# Altium PCB ARES_R30_Power.PcbDoc (part 3 of 3)
Units mm, origin at the board's own origin, x right, y up, seen from the top; angles counter-clockwise.
Board outline 93 x 99 mm, 6 copper layers (Top Layer, Mid Layer 1, Mid Layer 2, Mid Layer 3, Mid Layer 4, Bottom Layer), stack 1.58 mm thick; 177 components, 92 nets, 527 pads, 732 vias.
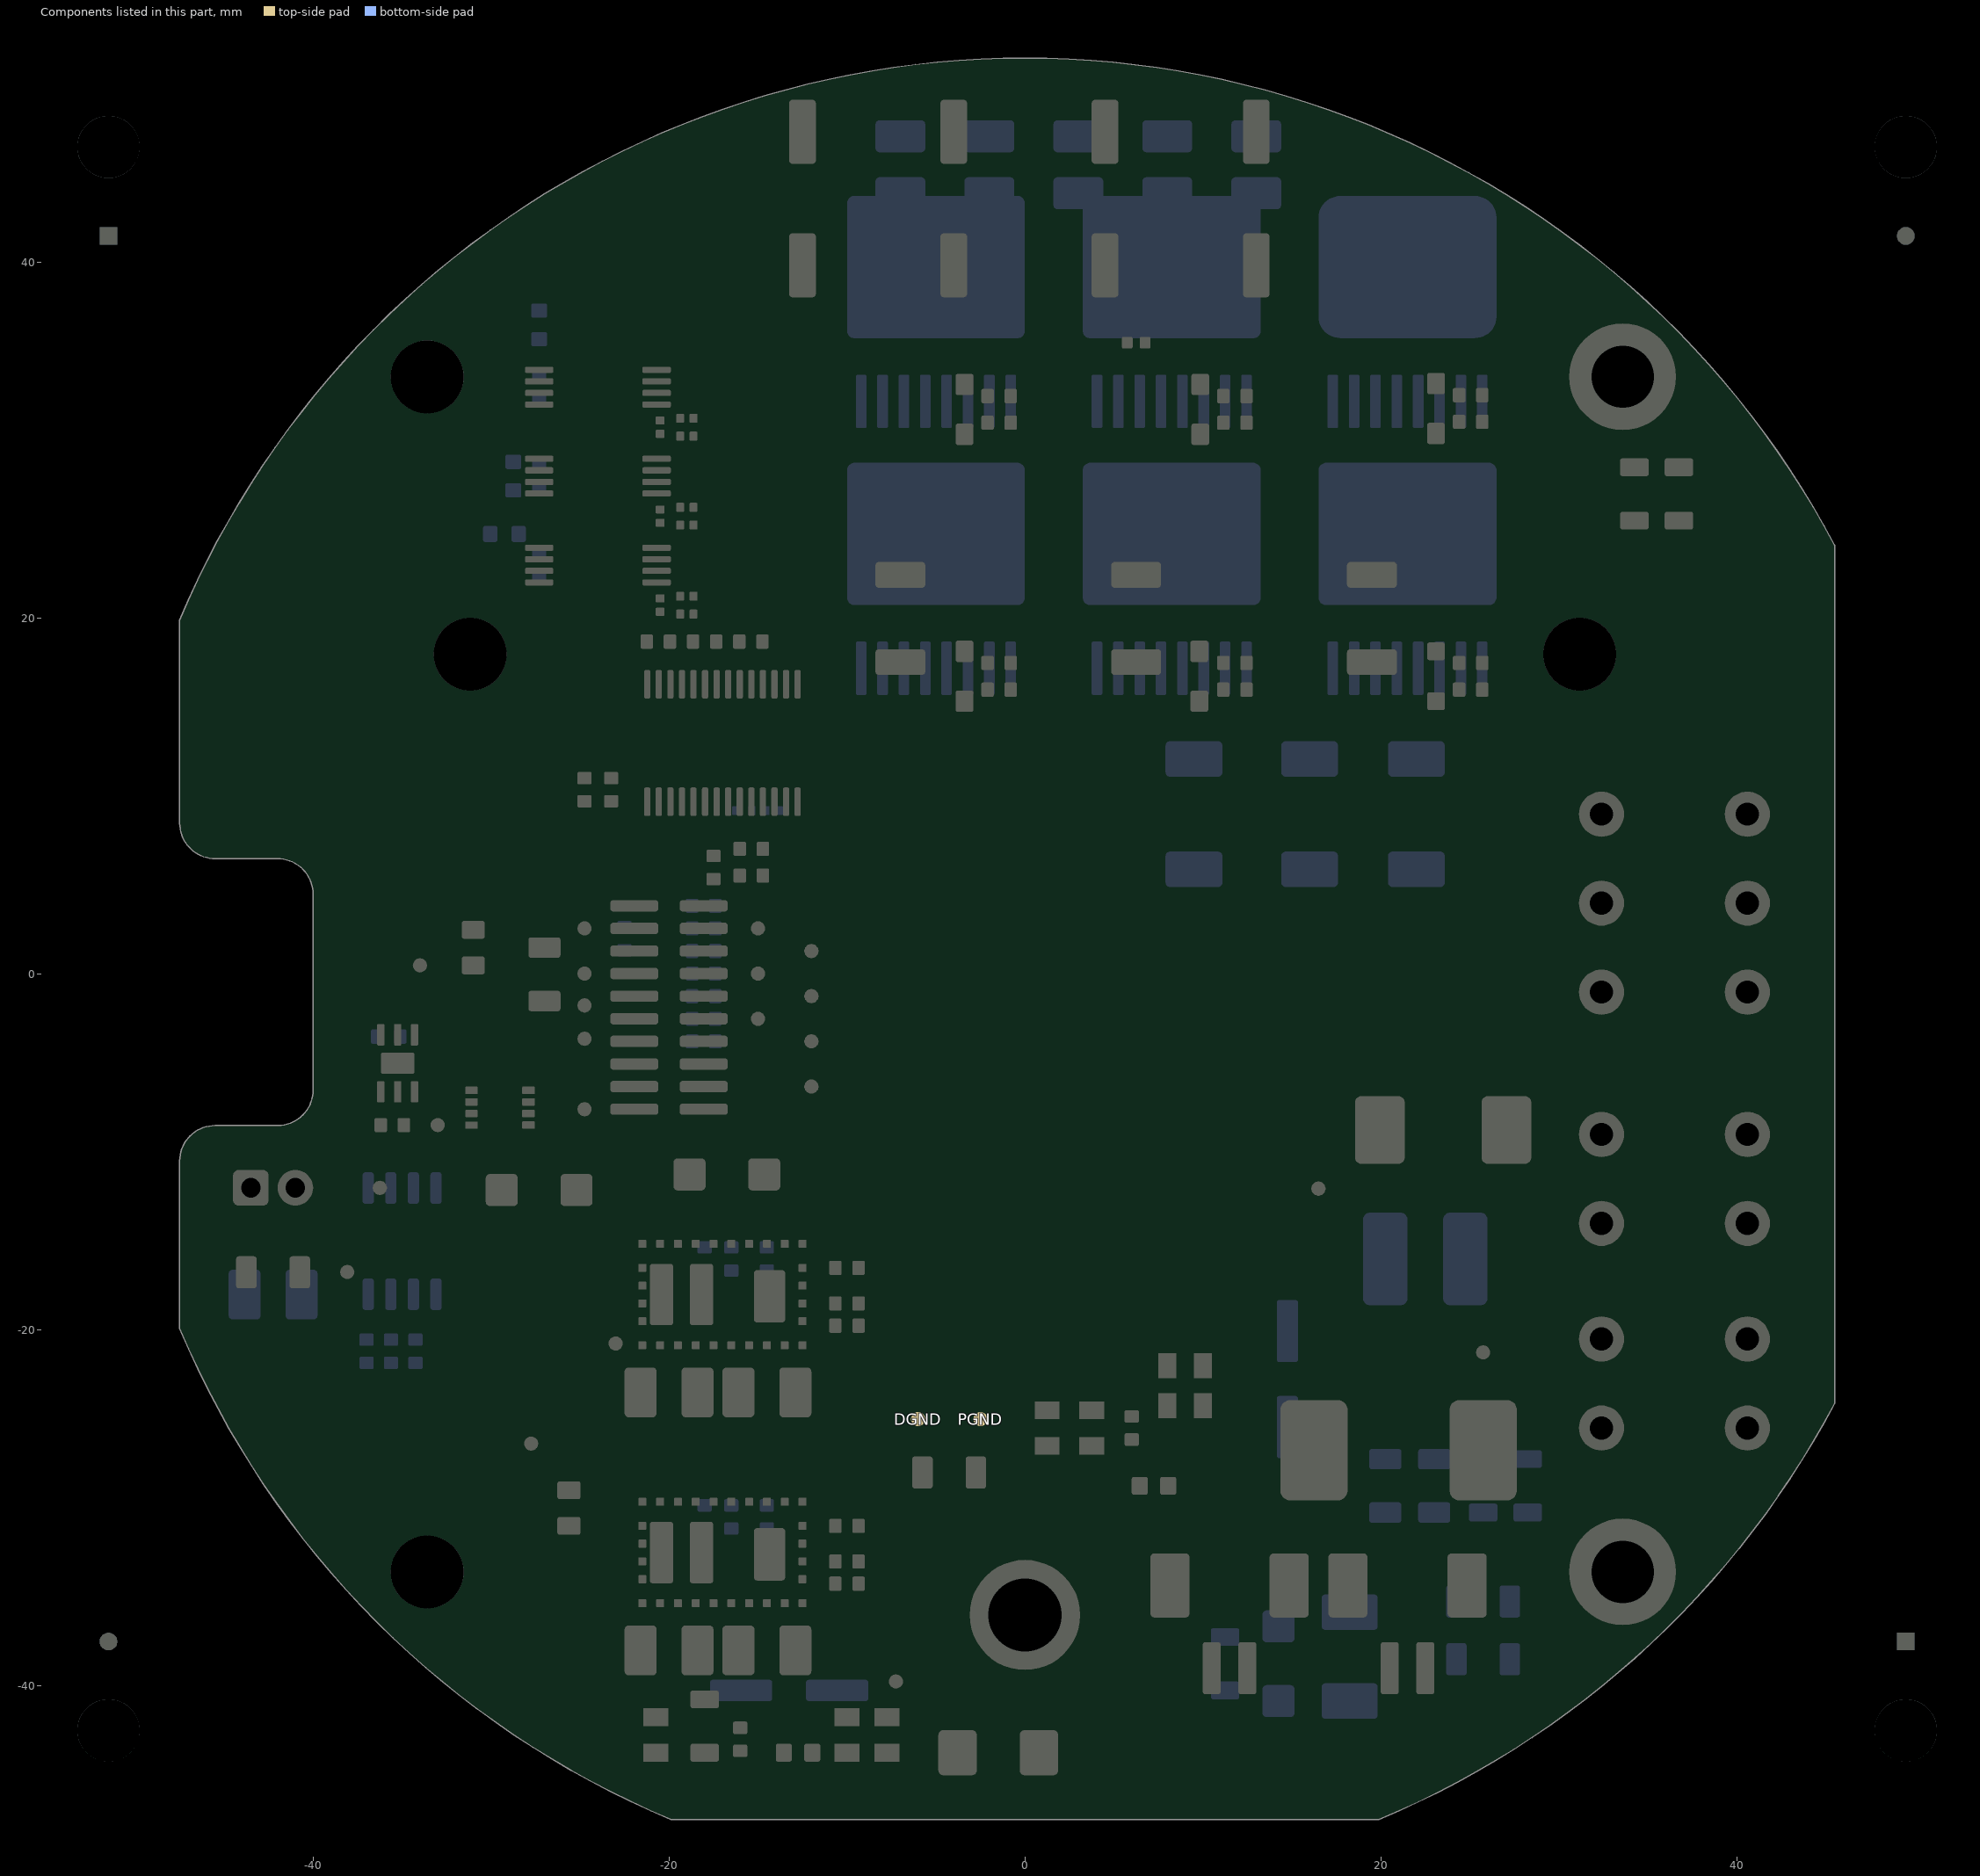
[diagram p7: the components of this part, seen from the top]

## Polygon pours and split planes (outlines as drawn)
V48P on Mid Layer 3 "Mid3 Layer - V48P" (solid, remove dead copper, pour order 201): 22.75,-17.751 26.501,-14 26.5,-5.25 27.5,-4.25 42,-4.25 43,-3.25 43,24 ccw(c39.25,24) 39.25,27.75 32.707,27.75 cw(c32.707,30.664) 30.646,28.604 27.267,31.983 cw(c29.119,33.835) 26.5,33.835 26.5,39.501 ccw(c24.002,39.502) 24,42 -9.5,42 ccw(c-9.501,41.501) -10,41.5 -10,33 ccw(c-9.5,33) -9.5,32.5 -4,32.5 cw(c-4,31.75) -3.25,31.75 -3.25,16.5 ccw(c-0.25,16.5) -0.25,13.5 7.5,13.5 cw(c7.5,9) 12,9 ccw(c13.5,9) 13.5,7.5 cw(c13.5,6.25) 14.75,6.25 14.75,0 14.75,-6.25 cw(c13.5,-6.25) 13.5,-7.5 ccw(c13.5,-9) 12,-9 12,-21.5 12.5,-22 22.25,-22 22.75,-21.5
DGND on Mid Layer 3 "Mid3 Layer - DGND" (solid, remove dead copper, pour order 202): 8,-33.441 8.941,-32.5 18.315,-32.5 cw(c13.978,-37.207) 18.802,-33 cw(c21.687,-139.141) 24.562,-33 cw(c15.904,-42.037) 25,-33.441 cw(c-6.248,-34.816) 25,-36.191 cw(c-5.3,-37.066) 25,-37.941 cw(c13.352,-38.566) 25,-39.191 20.75,-41.941 15.5,-41.941 10.5,-46.941 -20,-46.941 -24.5,-44.691 -26.75,-43.441 -30.25,-40.941 -33.25,-38.691 -36.75,-35.191 -41.5,-29.941 -44.75,-24.441 -47,-19.941 -47,-10.691 cw(c-45.25,-10.691) -45.25,-8.941 -42,-8.941 ccw(c-42,-6.441) -39.5,-6.441 -39.5,4.559 ccw(c-41.999,4.56) -42,7.059 -45.5,7.059 cw(c-45.501,8.558) -47,8.559 -47,20.059 -44.25,25.309 -40.75,30.559 -36.75,35.309 -33.043,38.571 cw(c-31.089,36.352) -31.088,39.309 -22.75,39.309 cw(c-22.749,38.56) -22,38.559 -22,37.809 ccw(c-21.25,37.809) -21.25,37.059 -12,37.059 -11,36.059 -11,11.436 -5,5.436 -5,-35.942 ccw(c-0.001,-35.942) 0,-40.941 5.5,-40.941 8,-38.441
PGND on Mid Layer 3 "Mid1 Layer - PGND" (solid, remove dead copper, pour order 203): -3.75,-7.58 ccw(c-3.75,3.411) 7.241,3.411 ccw(c-0.008,0.67) -0.008,8.42 -8.758,8.42 -10,9.662 -10,37 -11,38 -18.5,38 -19.5,39 -19.508,45.956 cw(c-17.402,45.956) -18.168,47.918 cw(c2.121,-4.018) -3.844,51.42 -0.303,51.42 cw(c-0.302,0.402) 22.515,46.033 25.742,44.42 30.742,40.92 33.242,38.92 38.242,33.92 40.992,30.42 43.992,25.92 44.742,24.42 44.742,-23.58 42.164,-28 17.75,-28 17.25,-28.5 17.25,-30.5 16.75,-31 -2.75,-31 -3.75,-30
V48P on Mid Layer 4 "Mid3 Layer - V48P" (solid, remove dead copper, pour order 204): 22.75,-17.751 26.501,-14 26.5,-5.25 27.5,-4.25 42,-4.25 43,-3.25 43,24 ccw(c39.25,24) 39.25,27.75 32.707,27.75 cw(c32.707,30.664) 30.646,28.604 27.267,31.983 cw(c29.119,33.835) 26.5,33.835 26.5,39.501 ccw(c24.002,39.502) 24,42 -9.5,42 ccw(c-9.501,41.501) -10,41.5 -10,33 ccw(c-9.5,33) -9.5,32.5 -4,32.5 cw(c-4,31.75) -3.25,31.75 -3.25,16.5 ccw(c-0.25,16.5) -0.25,13.5 7.5,13.5 cw(c7.5,9) 12,9 ccw(c13.5,9) 13.5,7.5 cw(c13.5,6.25) 14.75,6.25 14.75,0 14.75,-6.25 cw(c13.5,-6.25) 13.5,-7.5 ccw(c13.5,-9) 12,-9 12,-21.5 12.5,-22 22.25,-22 22.75,-21.5
DGND on Mid Layer 4 "Mid3 Layer - DGND" (solid, remove dead copper, pour order 205): 8,-33.441 8.941,-32.5 18.315,-32.5 cw(c13.978,-37.207) 18.802,-33 cw(c21.687,-139.14) 24.562,-33 cw(c15.901,-42.04) 25,-33.441 cw(c-6.255,-34.816) 25,-36.191 cw(c-5.3,-37.066) 25,-37.941 cw(c13.352,-38.566) 25,-39.191 20.75,-41.941 15.5,-41.941 10.5,-46.941 -20,-46.941 -24.5,-44.691 -26.75,-43.441 -30.25,-40.941 -33.25,-38.691 -36.75,-35.191 -41.5,-29.941 -44.75,-24.441 -47,-19.941 -47,-10.691 cw(c-45.25,-10.691) -45.25,-8.941 -42,-8.941 ccw(c-42,-6.441) -39.5,-6.441 -39.5,4.559 ccw(c-41.999,4.56) -42,7.059 -45.5,7.059 cw(c-45.501,8.558) -47,8.559 -47,20.059 -44.25,25.309 -40.75,30.559 -36.75,35.309 -33.043,38.571 cw(c-31.089,36.352) -31.088,39.309 -22.75,39.309 cw(c-22.749,38.56) -22,38.559 -22,37.809 ccw(c-21.25,37.809) -21.25,37.059 -12,37.059 -11,36.059 -11,11.436 -5,5.436 -5,-35.942 ccw(c-0.001,-35.942) 0,-40.941 5.5,-40.941 8,-38.441
PGND on Mid Layer 4 "Mid1 Layer - PGND" (solid, remove dead copper, pour order 206): -3.75,-7.58 ccw(c-3.75,3.411) 7.241,3.411 ccw(c-0.008,0.67) -0.008,8.42 -8.758,8.42 -10,9.662 -10,37 -11,38 -18.5,38 -19.5,39 -19.508,45.956 cw(c-17.402,45.956) -18.168,47.918 cw(c2.121,-4.018) -3.844,51.42 -0.303,51.42 cw(c-0.302,0.402) 22.515,46.033 25.742,44.42 30.742,40.92 33.242,38.92 38.242,33.92 40.992,30.42 43.992,25.92 44.742,24.42 44.742,-23.58 42.164,-28 17.75,-28 17.25,-28.5 17.25,-30.5 16.75,-31 -2.75,-31 -3.75,-30
PGND on Top Layer "Mid1 Layer - PGND" (solid, remove dead copper, pour order 196): -3.75,-7.58 ccw(c-3.75,3.411) 7.241,3.411 ccw(c-0.008,0.67) -0.008,8.42 -8.758,8.42 -10,9.662 -10,37 -11,38 -18.5,38 -19.5,39 -19.508,45.956 cw(c-17.402,45.956) -18.168,47.918 cw(c2.121,-4.018) -3.844,51.42 -0.303,51.42 cw(c-0.302,0.402) 22.515,46.033 25.742,44.42 30.742,40.92 33.242,38.92 38.242,33.92 40.992,30.42 43.992,25.92 44.742,24.42 44.742,-23.58 42.164,-28 23,-28 20,-31 -2.75,-31 -3.75,-30
DGND on Top Layer "Mid3 Layer - DGND" (solid, remove dead copper, pour order 195): 8,-33.441 8.941,-32.5 18.315,-32.5 cw(c13.99,-37.195) 18.802,-33 cw(c21.687,-139.114) 24.562,-33 cw(c15.912,-42.029) 25,-33.441 cw(c-6.242,-34.816) 25,-36.191 cw(c-5.28,-37.066) 25,-37.941 cw(c13.358,-38.566) 25,-39.191 20.75,-41.941 15.5,-41.941 10.5,-46.941 -20,-46.941 -24.5,-44.691 -26.75,-43.441 -30.25,-40.941 -33.25,-38.691 -36.75,-35.191 -41.5,-29.941 -44.75,-24.441 -47,-19.941 -47,-10.691 cw(c-45.25,-10.691) -45.25,-8.941 -42,-8.941 ccw(c-42,-6.441) -39.5,-6.441 -39.5,4.559 ccw(c-41.999,4.56) -42,7.059 -45.5,7.059 cw(c-45.501,8.558) -47,8.559 -47,20.059 -44.25,25.309 -40.75,30.559 -36.75,35.309 -33.043,38.571 cw(c-31.089,36.352) -31.088,39.309 -22.75,39.309 cw(c-22.749,38.56) -22,38.559 -22,37.809 ccw(c-21.25,37.809) -21.25,37.059 -12,37.059 -11,36.059 -11,11.436 -5,5.436 -5,-35.942 ccw(c-0.001,-35.942) 0,-40.941 5.5,-40.941 8,-38.441
DGND on Mid Layer 1 "Mid3 Layer - DGND" (solid, remove dead copper, pour order 197): 8,-33.441 8.941,-32.5 18.315,-32.5 cw(c13.978,-37.207) 18.802,-33 cw(c21.687,-139.149) 24.562,-33 cw(c15.903,-42.038) 25,-33.441 cw(c-6.255,-34.816) 25,-36.191 cw(c-5.3,-37.066) 25,-37.941 cw(c13.352,-38.566) 25,-39.191 20.75,-41.941 15.5,-41.941 10.5,-46.941 -20,-46.941 -24.5,-44.691 -26.75,-43.441 -30.25,-40.941 -33.25,-38.691 -36.75,-35.191 -41.5,-29.941 -44.75,-24.441 -47,-19.941 -47,-10.691 cw(c-45.25,-10.691) -45.25,-8.941 -42,-8.941 ccw(c-42,-6.441) -39.5,-6.441 -39.5,4.559 ccw(c-41.999,4.56) -42,7.059 -45.5,7.059 cw(c-45.501,8.558) -47,8.559 -47,20.059 -44.25,25.309 -40.75,30.559 -36.75,35.309 -33.043,38.571 cw(c-31.089,36.352) -31.088,39.309 -22.75,39.309 cw(c-22.749,38.56) -22,38.559 -22,37.809 ccw(c-21.25,37.809) -21.25,37.059 -12,37.059 -11,36.059 -11,11.436 -5,5.436 -5,-35.942 ccw(c-0.001,-35.942) 0,-40.941 5.5,-40.941 8,-38.441
PGND on Mid Layer 1 "Mid1 Layer - PGND" (solid, remove dead copper, pour order 198): -3.75,-7.58 ccw(c-3.75,3.411) 7.241,3.411 ccw(c-0.008,0.67) -0.008,8.42 -8.758,8.42 -10,9.662 -10,37 -11,38 -18.5,38 -19.5,39 -19.508,45.956 cw(c-17.402,45.956) -18.168,47.918 cw(c2.121,-4.018) -3.844,51.42 -0.303,51.42 cw(c-0.302,0.402) 22.515,46.033 25.742,44.42 30.742,40.92 33.242,38.92 38.242,33.92 40.992,30.42 43.992,25.92 44.742,24.42 44.742,-23.58 42.164,-28 17.75,-28 17.25,-28.5 17.25,-30.5 16.75,-31 -2.75,-31 -3.75,-30
DGND on Mid Layer 2 "Mid3 Layer - DGND" (solid, remove dead copper, pour order 199): 8,-33.441 8.941,-32.5 18.315,-32.5 cw(c13.978,-37.207) 18.802,-33 cw(c21.687,-139.149) 24.562,-33 cw(c15.903,-42.038) 25,-33.441 cw(c-6.255,-34.816) 25,-36.191 cw(c-5.3,-37.066) 25,-37.941 cw(c13.352,-38.566) 25,-39.191 20.75,-41.941 15.5,-41.941 10.5,-46.941 -20,-46.941 -24.5,-44.691 -26.75,-43.441 -30.25,-40.941 -33.25,-38.691 -36.75,-35.191 -41.5,-29.941 -44.75,-24.441 -47,-19.941 -47,-10.691 cw(c-45.25,-10.691) -45.25,-8.941 -42,-8.941 ccw(c-42,-6.441) -39.5,-6.441 -39.5,4.559 ccw(c-41.999,4.56) -42,7.059 -45.5,7.059 cw(c-45.501,8.558) -47,8.559 -47,20.059 -44.25,25.309 -40.75,30.559 -36.75,35.309 -33.043,38.571 cw(c-31.089,36.352) -31.088,39.309 -22.75,39.309 cw(c-22.749,38.56) -22,38.559 -22,37.809 ccw(c-21.25,37.809) -21.25,37.059 -12,37.059 -11,36.059 -11,11.436 -5,5.436 -5,-35.942 ccw(c-0.001,-35.942) 0,-40.941 5.5,-40.941 8,-38.441
PGND on Mid Layer 2 "Mid1 Layer - PGND" (solid, remove dead copper, pour order 200): -3.75,-7.58 ccw(c-3.75,3.411) 7.241,3.411 ccw(c-0.008,0.67) -0.008,8.42 -8.758,8.42 -10,9.662 -10,37 -11,38 -18.5,38 -19.5,39 -19.508,45.956 cw(c-17.402,45.956) -18.168,47.918 cw(c2.121,-4.018) -3.844,51.42 -0.303,51.42 cw(c-0.302,0.402) 22.515,46.033 25.742,44.42 30.742,40.92 33.242,38.92 38.242,33.92 40.992,30.42 43.992,25.92 44.742,24.42 44.742,-23.58 42.164,-28 17.75,-28 17.25,-28.5 17.25,-30.5 16.75,-31 -2.75,-31 -3.75,-30
DGND on Bottom Layer "Mid3 Layer - DGND" (solid, remove dead copper, pour order 207): 8,-33.441 9,-32.441 18.25,-32.441 cw(c13.973,-37.212) 18.801,-33 cw(c21.674,-139.183) 24.562,-33 cw(c15.891,-42.039) 25,-33.441 cw(c-6.251,-34.82) 25,-36.191 cw(c-5.305,-37.066) 25,-37.941 cw(c13.35,-38.566) 25,-39.191 20.75,-41.941 15.5,-41.941 10.5,-46.941 -20,-46.941 -24.5,-44.691 -26.75,-43.441 -30.25,-40.941 -33.25,-38.691 -36.75,-35.191 -41.5,-29.941 -44.75,-24.441 -47,-19.941 -47,-10.691 cw(c-45.25,-10.691) -45.25,-8.941 -42,-8.941 ccw(c-42,-6.441) -39.5,-6.441 -39.5,4.559 ccw(c-41.999,4.56) -42,7.059 -45.5,7.059 cw(c-45.501,8.558) -47,8.559 -47,20.059 -44.25,25.309 -40.75,30.559 -36.75,35.309 -33.043,38.571 cw(c-31.089,36.352) -31.088,39.309 -22.75,39.309 cw(c-22.749,38.56) -22,38.559 -22,37.809 ccw(c-21.25,37.809) -21.25,37.059 -12,37.059 -11,36.059 -11,11.436 -5,5.436 -5,-35.942 ccw(c-0.001,-35.942) 0,-40.941 5.5,-40.941 8,-38.441
PGND on Bottom Layer "Mid1 Layer - PGND" (solid, remove dead copper, pour order 208): -3.75,-7.58 ccw(c-3.75,3.411) 7.241,3.411 ccw(c-0.008,0.67) -0.008,8.42 -8.758,8.42 -10,9.662 -10,37 -11,38 -18.5,38 -19.5,39 -19.508,45.956 cw(c-17.402,45.956) -18.168,47.918 cw(c2.121,-4.018) -3.844,51.42 -0.303,51.42 cw(c-0.302,0.402) 22.515,46.033 25.742,44.42 30.742,40.92 33.242,38.92 38.242,33.92 40.992,30.42 43.992,25.92 44.742,24.42 44.742,-23.58 42.164,-28 17.75,-28 17.25,-28.5 17.25,-30.5 16.75,-31 -2.75,-31 -3.75,-30

## Keep-outs
Keep-Out Layer:
  the board outline again, w0.15

## Other copper
Top Layer:
  rectangle net PGND: 29.25,-22.5 42.5,-18.25
  region net PGND: 24.625,-11 42.5,-11 42.5,-5 24.5,-5 ccw(c24.5,-5.5) 24,-5.5 24,-10.375 ccw(c24.625,-10.375)
  region net FG2: 37.5,28 37.5,34 35.25,36.25 ccw(c34.647,35.647) 34.646,36.5 33.5,36.5 cw(c32.897,36.5) 33.323,36.073 30.75,33.5 cw(c30.147,32.897) 31,32.896 31,32 33.5,29.5 33.5,28
  region net BRKout: -27.55,-5.95 ccw(c-27.85,-5.95) -27.85,-5.65 -29.7,-5.65 ccw(c-29.7,-6) -30.05,-6 -30.05,-10.25 cw(c-30.3,-10.25) -30.3,-10.5 -32.8,-10.5 ccw(c-32.8,-10.75) -33.05,-10.75 -33.05,-13.75 ccw(c-32.8,-13.75) -32.8,-14 -27.8,-14 ccw(c-27.8,-13.75) -27.55,-13.75
  region net NetBRK_1: -42.5,-11.25 ccw(c-42.75,-11.25) -42.75,-11 -44.5,-11 ccw(c-44.5,-11.5) -45,-11.5 -45,-17.5 ccw(c-44.5,-17.5) -44.5,-18 -43,-18 ccw(c-43,-17.5) -42.5,-17.5
  pour cut-out: -24.25,-8.441 -26.398,-8.441 cw(c-26.398,-7.58) -27.259,-7.58 -27.259,-8.991 ccw(c-26.5,-8.991) -26.5,-9.75 -25,-9.75 ccw(c-25,-9) -24.25,-9
  region net PGND: -3.523,-29.722 -3.523,-26.706 cw(c-2.773,-26.706) -2.773,-25.956 -2.023,-25.956 cw(c-2.023,-26.581) -1.398,-26.581 -1.398,-29.581 cw(c-1.773,-29.581) -1.773,-29.956 -3.289,-29.956 cw(c-3.289,-29.722)
  region net DGND: -5.023,-29.722 -5.023,-26.706 ccw(c-5.773,-26.706) -5.773,-25.956 -6.523,-25.956 ccw(c-6.523,-26.581) -7.148,-26.581 -7.148,-29.581 ccw(c-6.773,-29.581) -6.773,-29.956 -5.257,-29.956 ccw(c-5.257,-29.722)
  pour cut-out: 43,-0.284 43,11.75 ccw(c42.954,11.75) 42.987,11.782 38.932,11.782 ccw(c38.932,9.242) 37.135,11.038 36.91,10.813 36.91,-0.51 ccw(c39.45,-0.51) 37.654,-2.306 37.66,-2.312 41.014,-2.312 ccw(c41.014,0.228) 42.81,-1.569 43.053,-1.326
  region net V24C: -6,-44.75 -5.5,-45.25 -3,-45.25 -2.5,-44.75 -2.5,-40.433 cw(c-0.25,-36.25) -5,-36.25 -5,-35.5 ccw(c-5.375,-35.5) -5.375,-35.125 -12,-35.125 -12,-39.25 ccw(c-11.75,-39.25) -11.75,-39.5 -10.75,-39.5 cw(c-10.75,-40) -10.25,-40 -10.25,-42.25 -6.5,-42.25 -6,-42.75
  region net DGND: -13.5,-19.375 -13.5,-16.875 ccw(c-13.875,-16.875) -13.875,-16.5 -16.625,-16.5 ccw(c-16.625,-16.625) -16.75,-16.625 -16.75,-20.25 cw(c-17.125,-20.25) -17.125,-20.625 -17.625,-20.625 ccw(c-17.625,-20.75) -17.75,-20.75 -17.75,-22 cw(c-17.875,-22) -17.875,-22.125 -19.375,-22.125 ccw(c-19.375,-22.375) -19.625,-22.375 -19.625,-24.813 cw(c-20.012,-24.813) -20.012,-25.2 -20.012,-25.488 ccw(c-19.875,-25.488) -19.875,-25.625 -18.125,-25.625 ccw(c-18.125,-25.5) -18,-25.5 -15,-25.5 -15,-25.25 cw(c-15,-25) -15.25,-25 -15.25,-20 cw(c-15,-20) -15,-19.75 -13.875,-19.75 ccw(c-13.875,-19.375)
  region net +12V: -18.375,-21.75 ccw(c-18.375,-21.625) -18.25,-21.625 -18.25,-20.75 ccw(c-18.375,-20.75) -18.375,-20.625 -19.625,-20.625 cw(c-19.625,-20.5) -19.75,-20.5 -19.75,-16.375 ccw(c-19.875,-16.375) -19.875,-16.25 -23.75,-16.25 ccw(c-23.75,-16.375) -23.875,-16.375 -23.875,-24.875 ccw(c-23.75,-24.875) -23.75,-25 -21,-25 ccw(c-21,-24.875) -20.875,-24.875 -20.875,-21.875 cw(c-20.75,-21.875) -20.75,-21.75
  region net V24C: -14.125,-21.875 ccw(c-14.25,-21.875) -14.25,-21.75 -14.625,-21.75 cw(c-14.625,-21.625) -14.75,-21.625 -14.75,-20.75 cw(c-14.625,-20.75) -14.625,-20.625 -11.625,-20.625 cw(c-11.625,-20.75) -11.5,-20.75 -11.5,-24.875 cw(c-11.625,-24.875) -11.625,-25 -14,-25 cw(c-14,-24.875) -14.125,-24.875
  region net DGND: -13.5,-34 -13.5,-31.375 ccw(c-13.875,-31.375) -13.875,-31 -16.625,-31 ccw(c-16.625,-31.125) -16.75,-31.125 -16.75,-34.75 cw(c-17.125,-34.75) -17.125,-35.125 -17.625,-35.125 ccw(c-17.625,-35.25) -17.75,-35.25 -17.75,-36.5 cw(c-17.875,-36.5) -17.875,-36.625 -19,-36.625 ccw(c-19,-36.875) -19.25,-36.875 -19.25,-39.125 cw(c-19.918,-39.032) -20.012,-39.7 -20.012,-39.988 ccw(c-19.875,-39.988) -19.875,-40.125 -18.125,-40.125 ccw(c-18.125,-40) -18,-40 -15,-40 -15,-39.75 cw(c-15,-39.5) -15.25,-39.5 -15.25,-34.5 cw(c-15,-34.5) -15,-34.25 -13.75,-34.25 ccw(c-13.75,-34)
  region net V24C: -14.125,-36.25 -14.625,-36.25 cw(c-14.625,-36.125) -14.75,-36.125 -14.75,-35.25 cw(c-14.625,-35.25) -14.625,-35.125 -11.625,-35.125 cw(c-11.625,-35.25) -11.5,-35.25 -11.5,-39.375 cw(c-11.625,-39.375) -11.625,-39.5 -13.35,-39.5 cw(c-13.35,-38.975) -13.875,-38.975 -13.875,-36.5 ccw(c-14.125,-36.5)
  region net NetC203_2: -18.375,-36.25 ccw(c-18.375,-36.125) -18.25,-36.125 -18.25,-35.25 ccw(c-18.375,-35.25) -18.375,-35.125 -19.625,-35.125 cw(c-19.625,-35) -19.75,-35 -19.75,-30.875 ccw(c-19.875,-30.875) -19.875,-30.75 -26,-30.75 ccw(c-26,-31.25) -26.5,-31.25 -26.5,-38 -25,-39.5 -21,-39.5 ccw(c-21,-39.375) -20.875,-39.375 -20.875,-36.375 cw(c-20.75,-36.375) -20.75,-36.25
  region net +5V: -26.375,-29.125 -24.625,-29.125 ccw(c-24.625,-29) -24.5,-29 -24.5,-26 ccw(c-24.75,-26) -24.75,-25.75 -26.25,-25.75 ccw(c-26.25,-26) -26.5,-26 -26.5,-29 ccw(c-26.375,-29)
  region net PH_W: 16.5,21.125 16.5,33.25 cw(c17,33.25) 17,33.75 21.25,33.75 cw(c21.25,33.5) 21.5,33.5 21.5,29.25 ccw(c22,29.25) 22,28.75 26.25,28.75 cw(c26.25,28.5) 26.5,28.5 26.5,22.25 cw(c25,22.25) 25,20.75 16.875,20.75 cw(c16.875,21.125)
  region net V48P: -15,38.5 -15,41.75 cw(c-14.5,41.75) -14.5,42.25 23.5,42.25 cw(c23.5,41.25) 24.5,41.25 24.5,38.5 cw(c24,38.5) 24,38 -14.5,38 cw(c-14.5,38.5)
  region net PH_V: 3.25,21.125 3.25,33.25 cw(c3.75,33.25) 3.75,33.75 8,33.75 cw(c8,33.5) 8.25,33.5 8.25,29.25 ccw(c8.75,29.25) 8.75,28.75 13,28.75 cw(c13,28.5) 13.25,28.5 13.25,21.125 cw(c12.875,21.125) 12.875,20.75 3.625,20.75 cw(c3.625,21.125)
  region net PH_U: -10,21.125 -10,33.25 cw(c-9.5,33.25) -9.5,33.75 -5.25,33.75 cw(c-5.25,33.5) -5,33.5 -5,29.25 ccw(c-4.5,29.25) -4.5,28.75 -0.25,28.75 cw(c-0.25,28.5) 0,28.5 0,21.125 cw(c-0.375,21.125) -0.375,20.75 -9.625,20.75 cw(c-9.625,21.125)
  region net MOT_W: 21.5,18.5 21.5,15.5 ccw(c22.707,15.5) 21.854,14.646 23.146,13.354 ccw(c24,14.207) 24,13 41.5,13 cw(c41.5,12.5) 42,12.5 42,8.25 cw(c41.5,8.25) 41.5,7.75 22.75,7.75 cw(c22.75,9.561) 21.47,8.28 16.729,13.021 cw(c18.487,14.78) 16,14.78 16,18.25 cw(c16.75,18.25) 16.75,19 21,19 cw(c21,18.5)
  region net MOT_V: 8.5,18.25 8.5,14.5 ccw(c8.875,14.375) 9,14 13.51,14 cw(c13.51,12.093) 14.858,13.442 21.909,6.391 ccw(c22.854,7.336) 22.854,6 41.5,6 cw(c41.5,5.5) 42,5.5 42,2.5 cw(c41.5,2.5) 41.5,2 18.75,2 cw(c18.75,3.811) 17.47,2.53 9.404,10.596 ccw(c8.429,9.622) 8.429,11 7.604,11 cw(c7.604,12.457) 6.573,11.427 3.604,14.396 cw(c4.457,15.25) 3.25,15.25 3.25,18.25 cw(c4,18.25) 4,19 7.75,19 cw(c7.75,18.25)
  region net MOT_U: -9.25,19 -5.5,19 cw(c-5.5,18.5) -5,18.5 -5,15.25 ccw(c-4.396,15.25) -4.823,14.823 -3.25,13.25 ccw(c-2.646,13.854) -2.646,13 3,13 cw(c3,11.793) 3.854,12.646 6.273,10.227 ccw(c6.821,10.775) 6.821,10 8.147,10 cw(c8.147,8.544) 9.177,9.573 17.75,1 41.5,1 cw(c41.5,0.5) 42,0.5 42,-3 cw(c41.5,-3) 41.5,-3.5 15,-3.5 3.604,7.896 ccw(c2.75,7.043) 2.75,8.25 -5.396,8.25 cw(c-5.396,9.707) -6.427,8.677 -9.396,11.646 cw(c-8.543,12.5) -9.75,12.5 -9.75,18.5 cw(c-9.25,18.5)
  pour cut-out: 19.777,45.25 cw(c19.777,36.865) 25.706,42.794 cw(c23.911,40.998) 26.45,40.998 26.45,38.325 cw(c24.75,38.325) 24.75,36.625 -13.875,36.625 cw(c-13.875,37.5) -14.75,37.5 -14.75,38.08 -14.75,38 -17.25,38 -16.698,38.552 -16.698,43.802 -15.25,45.25
  pour cut-out: 11.5,-1 8.704,-1 ccw(c8.704,-1.944) 7.76,-1.944 7.76,0.25 10.75,0.25 cw(c10.75,-0.25) 11.25,-0.25
  pour cut-out: -41,-10.689 -43.439,-10.689 ccw(c-43.439,-10.75) -43.5,-10.75 -43.5,-14 -42.245,-14 cw(c-41.562,-13.995) -41.567,-13.311 -41,-13.311
  pour cut-out: -40.633,-13.255 -40.755,-13.255 ccw(c-40.755,-13.75) -41.25,-13.75 -41.25,-14.25 ccw(c-40.75,-14.25) -40.75,-14.75 -42.245,-14.75 -42.245,-13.255
  pour cut-out: 26.45,38.158 26.45,29.851 ccw(c27.234,29.851) 26.68,29.296 26.929,29.047 cw(c26.382,28.5) 27.156,28.5 26.375,28.5 cw(c26.375,29.375) 25.5,29.375 25.5,37.75 cw(c25.875,37.75) 25.875,38.125